# KiCad board soldiercrab_panel.kicad_pcb (continued)
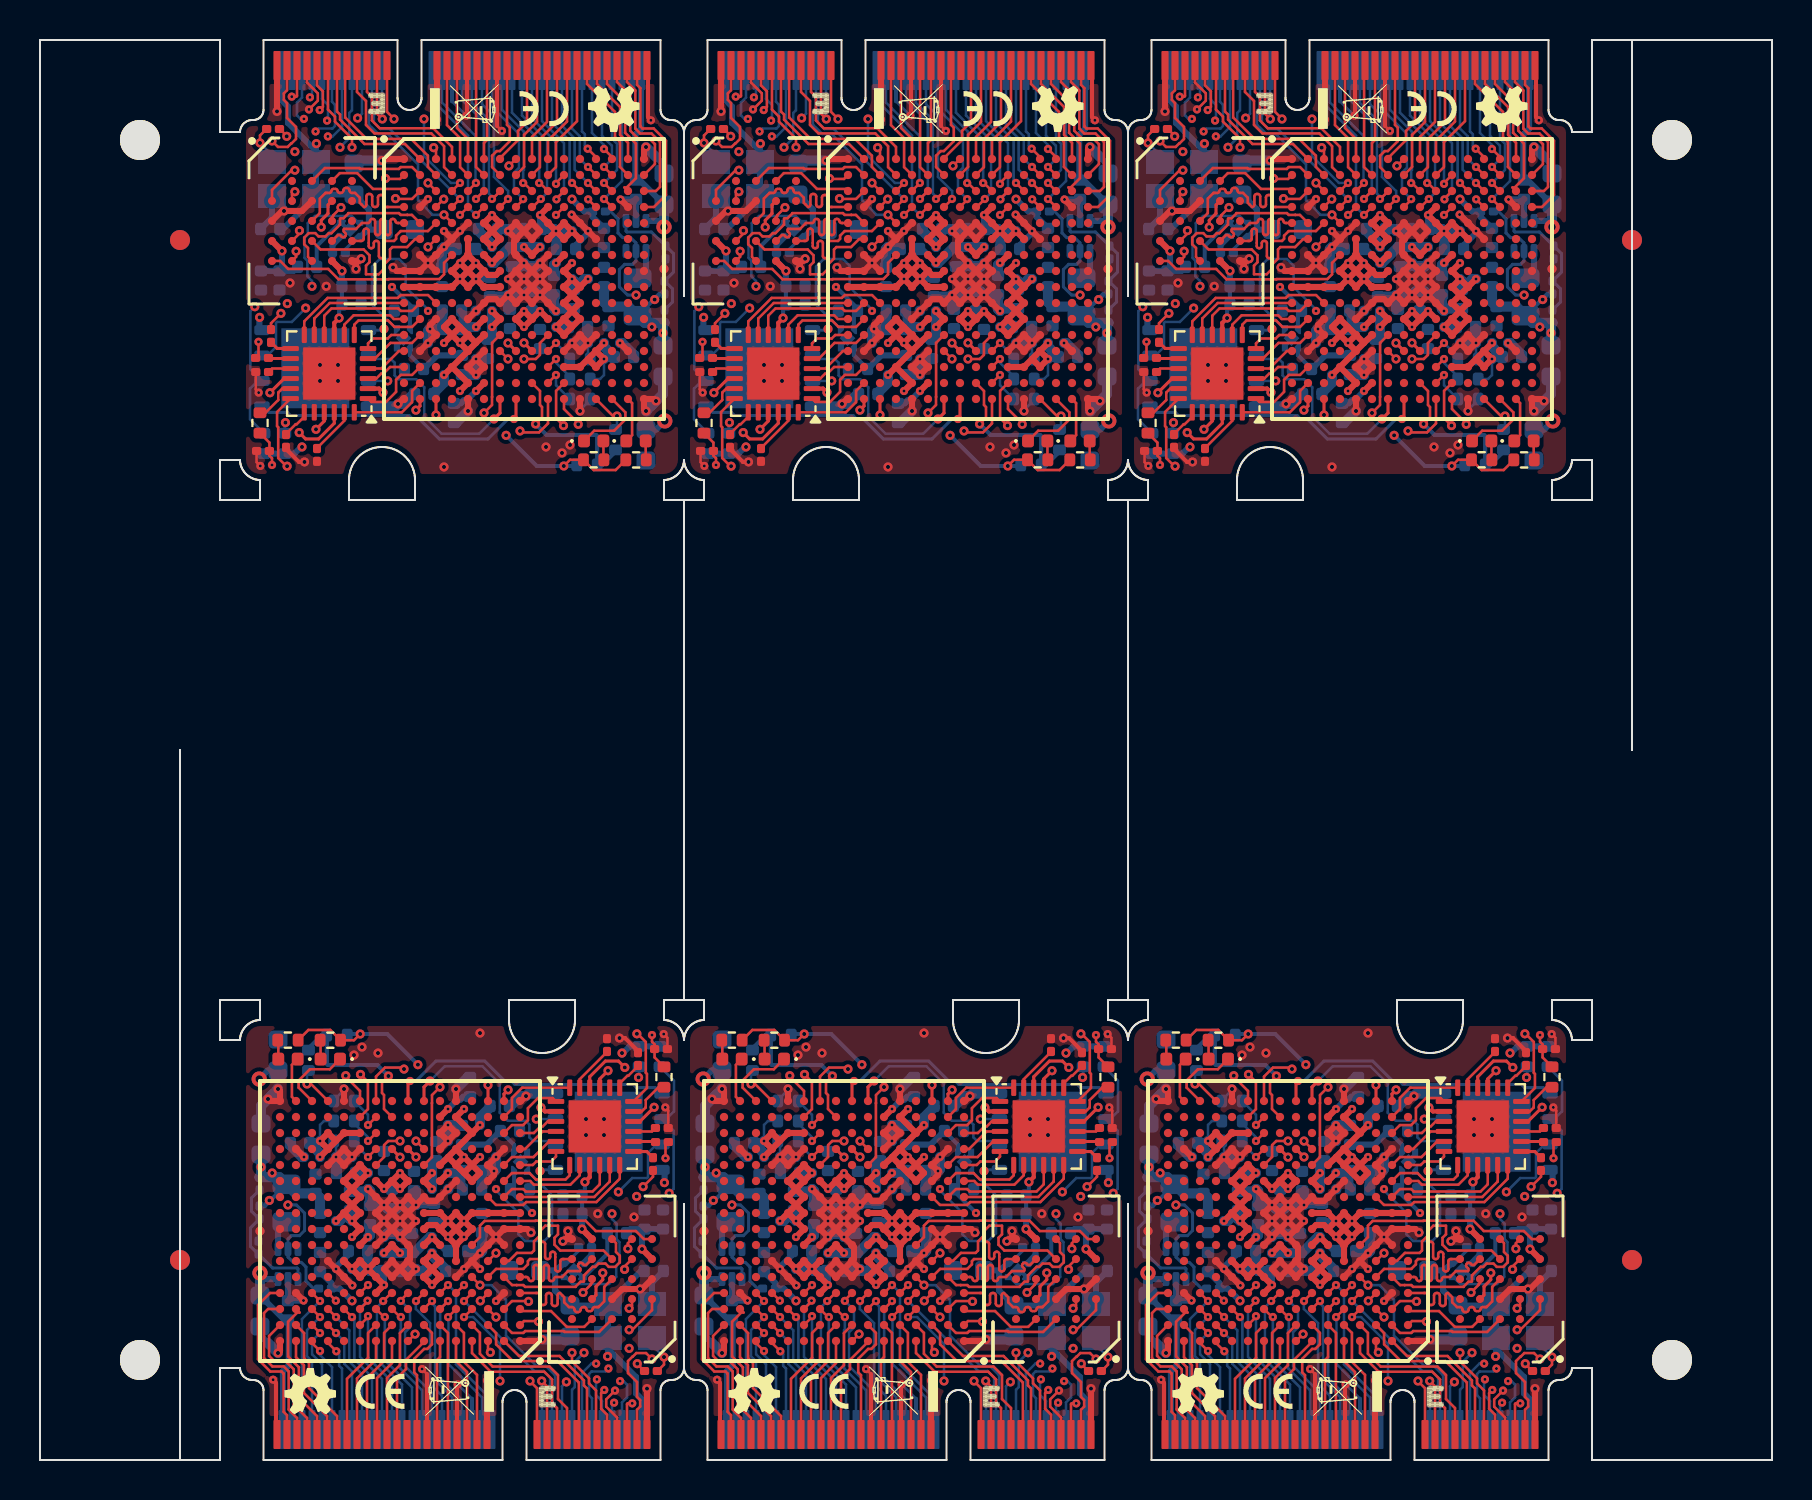
[diagram p0: board, top side]
## Nets (continued)
Board_3-unconnected-(IC1G-PL14A-PadF1): IC1#5.F1
Board_3-unconnected-(IC1G-PL20A-PadG1): IC1#5.G1
Board_3-unconnected-(IC1H-CS1N/PB13B-PadP8): IC1#5.P8
Board_3-unconnected-(IC1H-D4/PICO2/PB6B-PadP7): IC1#5.P7
Board_3-unconnected-(IC1H-D5/POCI2/PB6A-PadR7): IC1#5.R7
Board_3-unconnected-(IC1H-D7/PB4A-PadT6): IC1#5.T6
Board_3-unconnected-(IC1H-DONE-PadP9): IC1#5.P9
Board_3-unconnected-(IC1H-DOUT/CSON/PB15B-PadM8): IC1#5.M8
Board_3-unconnected-(IC1H-INITN-PadT9): IC1#5.T9
Board_3-unconnected-(IC1H-SN/CSN/PB13A-PadR8): IC1#5.R8
Board_3-unconnected-(IC1H-WRITEEN/PB18A-PadM9): IC1#5.M9
Board_3-unconnected-(J1-3.3V_EN-Pad4): J1#6.4
Board_3-unconnected-(J1-BATT_VIN/3-Pad49): J1#6.49
Board_3-unconnected-(J1-RTC_3V-Pad72): J1#6.72
Board_3-unconnected-(U1-NC-Pad6): U1#5.6
Board_3-unconnected-(U3-XO-Pad20): U3#4.20
Board_3-unconnected-(U10-RFU-PadA2): U10#3.A2
Board_3-unconnected-(U10-RFU-PadA5): U10#3.A5
Board_3-unconnected-(U10-RFU-PadC2): U10#3.C2
Board_3-unconnected-(U10-RFU/PSC-PadB5): U10#3.B5
Board_3-unconnected-(U10-RFU/~{PSC}-PadC5): U10#3.C5
Board_3-USB0_DM: J1#6.5 R9#3.1
Board_3-USB0_DP: J1#6.3 R10#5.1
Board_3-USB0_ID: J1#6.16 U3#4.18
Board_3-USB0_VBUS: C37#3.1 J1#6.9 R8#6.2
Board_3-VCCRAM: C5#3.1 C19#4.1 C21#5.1 C31.1 C32#2.1 C65#4.1 C82#4.1 C83.1 IC1#5.F5 IC1#5.G5 IC1#5.H4 IC1#5.H5 IC1#5.H6 IC1#5.H7 IC1#5.J1 IC1#5.J2 IC1#5.J3 IC1#5.J4 IC1#5.J5 IC1#5.J6 IC1#5.J7 IC1#5.L4 IC1#5.M4 IC1#5.M5 IC1#5.M6 IC1#5.N5 IC1#5.P4 IC1#5.R5 R16#2.1 U3#4.2 U3#4.9 U4#4.1 U10#3.B4 U10#3.D1 U10#3.E4
Board_4-+1V1: C1#3.1 C3#6.1 C7#6.1 C9.1 C11#5.1 C13#2.1 C15#4.1 C17#2.1 C25.2 C28.2 C29#5.2 IC1#6.G6 IC1#6.G7 IC1#6.G9 IC1#6.L8 IC1#6.L9 IC1#6.L10 L1#2.2 R2#2.2
Board_4-+2V5: C22#2.1 C24.1 C26#6.1 C27#5.1 IC1#6.G11 IC1#6.L7 U2#6.1
Board_4-+3V3: C2#4.1 C4.1 C6#6.2 C8#5.1 C10.1 C12#5.1 C14#5.1 C16#2.1 C18#3.1 C20#2.1 C23#3.1 C33#6.1 C35#2.1 C79.1 C80#6.1 C81#6.1 IC1#6.D10 IC1#6.E6 IC1#6.E7 IC1#6.E10 IC1#6.E11 IC1#6.F6 IC1#6.F7 IC1#6.F10 IC1#6.F11 IC1#6.F12 IC1#6.H11 IC1#6.J11 IC1#6.J12 IC1#6.K11 IC1#6.K12 IC1#6.L6 IC1#6.L11 IC1#6.L12 IC1#6.M11 IC1#6.N13 IC1#6.P11 IC1#6.P12 IC1#6.P13 IC1#6.R6 J1#5.2 J1#5.74 R1.2 R6#3.1 R11.2 R13#4.2 R15#3.2 R16#3.2 R109#3.1 R110.1 U1#2.3 U2#6.4 U3#3.16 U4#2.4 U7#6.8 Y1#3.1 Y1#3.4
Board_4-/bank0_1/CLOCK_48MHZ: IC1#6.A8 R108.1
Board_4-/bank2_3/~{FPGA_SELF_PROGRAM}: IC1#6.T13 R5#3.2
Board_4-/bank6_7/RAM.CK: IC1#6.C3 U10.B2
Board_4-/bank6_7/RAM.DQ0: IC1#6.F2 U10.D3
Board_4-/bank6_7/RAM.DQ1: IC1#6.B1 U10.D2
Board_4-/bank6_7/RAM.DQ2: IC1#6.C2 U10.C4
Board_4-/bank6_7/RAM.DQ3: IC1#6.E1 U10.D4
Board_4-/bank6_7/RAM.DQ4: IC1#6.E3 U10.D5
Board_4-/bank6_7/RAM.DQ5: IC1#6.E2 U10.E3
Board_4-/bank6_7/RAM.DQ6: IC1#6.F3 U10.E2
Board_4-/bank6_7/RAM.DQ7: IC1#6.G4 U10.E1
Board_4-/bank6_7/RAM.RWDS: IC1#6.D1 U10.C3
Board_4-/bank6_7/RAM.~{CK}: IC1#6.D3 U10.B1
Board_4-/bank6_7/RAM.~{CS}: IC1#6.B2 U10.A3
Board_4-/bank6_7/RAM.~{RESET}: IC1#6.C1 U10.A4
Board_4-/bank6_7/USB0.DATA0: IC1#6.N1 U3#3.4
Board_4-/bank6_7/USB0.DATA1: IC1#6.M2 U3#3.5
Board_4-/bank6_7/USB0.DATA2: IC1#6.M1 U3#3.6
Board_4-/bank6_7/USB0.DATA3: IC1#6.L2 U3#3.7
Board_4-/bank6_7/USB0.DATA4: IC1#6.L1 U3#3.8
Board_4-/bank6_7/USB0.DATA5: IC1#6.K2 U3#3.10
Board_4-/bank6_7/USB0.DATA6: IC1#6.K1 U3#3.11
Board_4-/bank6_7/USB0.DATA7: IC1#6.K3 U3#3.12
Board_4-/bank6_7/USB0.DIR: IC1#6.P2 U3#3.1
Board_4-/bank6_7/USB0.NXT: IC1#6.P1 U3#3.3
Board_4-/bank6_7/USB0.REFCLK: IC1#6.T3 U3#3.21
Board_4-/bank6_7/USB0.STP: IC1#6.R2 U3#3.24
Board_4-/bank6_7/USB0.~{RESET}: IC1#6.T2 U3#3.22
Board_4-/bank8_configuration/D0: IC1#6.T8 U7#6.5
Board_4-/bank8_configuration/D1: IC1#6.T7 U7#6.2
Board_4-/bank8_configuration/D2: IC1#6.M7 U7#6.3
Board_4-/bank8_configuration/D3: IC1#6.N7 U7#6.7
Board_4-/bank8_configuration/FPGA_CFG0: IC1#6.N10 R12.1
Board_4-/bank8_configuration/FPGA_CFG1: IC1#6.P10 R13#4.1
Board_4-/bank8_configuration/FPGA_CFG2: IC1#6.R10 R14#5.1
Board_4-/bank8_configuration/FPGA_CONFIG.~{PROGRAM}: IC1#6.R9 R5#3.1 R6#3.2
Board_4-/bank8_configuration/FPGA_FLASH_CLK: IC1#6.N9 R109#3.2 U7#6.6
Board_4-/bank8_configuration/~{CS_DI}: IC1#6.N8 R110.2 U7#6.1
Board_4-/usb/ULPI_1V8: C34#3.1 U3#3.23
Board_4-/usb/ULPI_3V3: C36#3.1 U3#3.15
Board_4-ECP5_A2: IC1#6.A2 J1#5.13
Board_4-ECP5_A3: IC1#6.A3 J1#5.11
Board_4-ECP5_A4: IC1#6.A4 J1#5.19
Board_4-ECP5_A5: IC1#6.A5 J1#5.37
Board_4-ECP5_A6: IC1#6.A6 J1#5.43
Board_4-ECP5_A7: IC1#6.A7 J1#5.51
Board_4-ECP5_A9: IC1#6.A9 J1#5.55
Board_4-ECP5_A10: IC1#6.A10 J1#5.59
Board_4-ECP5_A11: IC1#6.A11
Board_4-ECP5_A12: IC1#6.A12
Board_4-ECP5_A13: IC1#6.A13 J1#5.62
Board_4-ECP5_A14: IC1#6.A14 J1#5.64
Board_4-ECP5_A15: IC1#6.A15 J1#5.65
Board_4-ECP5_B3: IC1#6.B3 J1#5.15
Board_4-ECP5_B4: IC1#6.B4 J1#5.17
Board_4-ECP5_B5: IC1#6.B5 J1#5.35
Board_4-ECP5_B6: IC1#6.B6 J1#5.41
Board_4-ECP5_B7: IC1#6.B7 J1#5.47
Board_4-ECP5_B8: IC1#6.B8 J1#5.53
Board_4-ECP5_B9: IC1#6.B9 J1#5.57
Board_4-ECP5_B10: IC1#6.B10 J1#5.61
Board_4-ECP5_B11: IC1#6.B11 J1#5.52
Board_4-ECP5_B12: IC1#6.B12
Board_4-ECP5_B13: IC1#6.B13 J1#5.60
Board_4-ECP5_B14: IC1#6.B14 J1#5.66
Board_4-ECP5_B15: IC1#6.B15 J1#5.63
Board_4-ECP5_B16: IC1#6.B16 J1#5.69
Board_4-ECP5_C4: IC1#6.C4 J1#5.6
Board_4-ECP5_C5: IC1#6.C5 J1#5.34
Board_4-ECP5_C6: IC1#6.C6 J1#5.38
Board_4-ECP5_C7: IC1#6.C7 J1#5.40
Board_4-ECP5_C8: IC1#6.C8
Board_4-ECP5_C9: IC1#6.C9 J1#5.46
Board_4-ECP5_C10: IC1#6.C10 J1#5.48
Board_4-ECP5_C11: IC1#6.C11 J1#5.54
Board_4-ECP5_C12: IC1#6.C12 J1#5.56
Board_4-ECP5_C13: IC1#6.C13 J1#5.58
Board_4-ECP5_C14: IC1#6.C14 J1#5.68
Board_4-ECP5_C15: IC1#6.C15 J1#5.67
Board_4-ECP5_C16: IC1#6.C16 J1#5.71
Board_4-ECP5_D4: IC1#6.D4 J1#5.22
Board_4-ECP5_D5: IC1#6.D5 J1#5.8
Board_4-ECP5_D6: IC1#6.D6 J1#5.32
Board_4-ECP5_D7: IC1#6.D7 J1#5.42
Board_4-ECP5_D8: IC1#6.D8 J1#5.44
Board_4-ECP5_D9: IC1#6.D9 J1#5.50
Board_4-ECP5_D11: IC1#6.D11 J1#5.12
Board_4-ECP5_D12: IC1#6.D12
Board_4-ECP5_D13: IC1#6.D13 J1#5.14
Board_4-ECP5_D14: IC1#6.D14 J1#5.70
Board_4-ECP5_D16: IC1#6.D16 J1#5.73
Board_4-ECP5_E4: IC1#6.E4 J1#5.20
Board_4-ECP5_E13: IC1#6.E13
Board_4-ECP5_M10_TDO: IC1#6.M10 J1#5.23
Board_4-ECP5_R11_TDI: IC1#6.R11 J1#5.18
Board_4-ECP5_T10_TCK: IC1#6.T10 J1#5.10
Board_4-ECP5_T11_TMS: IC1#6.T11 J1#5.21
Board_4-EN: R1.1 U1#2.5 U2#6.3 U4#2.3
Board_4-GND: C1#3.2 C2#4.2 C3#6.2 C4.2 C5#5.2 C6#6.1 C7#6.2 C8#5.2 C9.2 C10.2 C11#5.2 C12#5.2 C13#2.2 C14#5.2 C15#4.2 C16#2.2 C17#2.2 C18#3.2 C19.2 C20#2.2 C21#4.2 C22#2.2 C23#3.2 C24.2 C26#6.2 C27#5.2 C28.1 C29#5.1 C31#2.2 C32#3.2 C33#6.2 C34#3.2 C35#2.2 C36#3.2 C37.2 C65#5.2 C79.2 C80#6.2 C81#6.2 C82#5.2 C83#3.2 IC1#6.A1 IC1#6.A16 IC1#6.D2 IC1#6.D15 IC1#6.E5 IC1#6.E8 IC1#6.E9 IC1#6.E12 IC1#6.F4 IC1#6.F8 IC1#6.F9 IC1#6.F13 IC1#6.G2 IC1#6.G3 IC1#6.G8 IC1#6.G10 IC1#6.H1 IC1#6.H2 IC1#6.H3 IC1#6.H8 IC1#6.H9 IC1#6.H10 IC1#6.H16 IC1#6.J8 IC1#6.J9 IC1#6.J10 IC1#6.K6 IC1#6.K7 IC1#6.K8 IC1#6.K9 IC1#6.K10 IC1#6.L3 IC1#6.L5 IC1#6.M3 IC1#6.M12 IC1#6.M13 IC1#6.N2 IC1#6.N6 IC1#6.N11 IC1#6.N12 IC1#6.N15 IC1#6.P5 IC1#6.P6 IC1#6.T1 IC1#6.T5 IC1#6.T12 IC1#6.T16 J1#5.1 J1#5.7 J1#5.33 J1#5.36 J1#5.39 J1#5.45 J1#5.75 R3#2.2 R7#6.1 R12.2 R14#5.2 U1#2.2 U2#6.2 U3#3.25 U4#2.2 U7#6.4 U7#6.9 U10.B3 U10.C1 U10.E5 Y1#3.2
Board_4-Net-(D1-A): D1#3.2 R11.1
Board_4-Net-(D1-K): D1#3.1 IC1#6.T15
Board_4-Net-(D2-A): D2.2 R15#3.1
Board_4-Net-(D2-K): D2.1 IC1#6.T14
Board_4-Net-(U1-FB): C25.1 R2#2.1 R3#2.1 U1#2.1
Board_4-Net-(U1-SW): L1#2.1 U1#2.4
Board_4-Net-(U3-DM): R9#4.2 U3#3.14
Board_4-Net-(U3-DP): R10.2 U3#3.13
Board_4-Net-(U3-RBIAS): R7#6.2 U3#3.19
Board_4-Net-(U3-VBUS): R8#5.1 U3#3.17
Board_4-Net-(Y1-OUT): R108.2 Y1#3.3
Board_4-unconnected-(IC1D-PR5C-PadE14): IC1#6.E14
Board_4-unconnected-(IC1D-PR5D-PadF14): IC1#6.F14
Board_4-unconnected-(IC1D-PR8B-PadE15): IC1#6.E15
Board_4-unconnected-(IC1D-PR11A-PadG12): IC1#6.G12
Board_4-unconnected-(IC1D-PR11B-PadG13): IC1#6.G13
Board_4-unconnected-(IC1D-PR11C-PadF15): IC1#6.F15
Board_4-unconnected-(IC1D-PR11D-PadE16): IC1#6.E16
Board_4-unconnected-(IC1D-PR14A-PadF16): IC1#6.F16
Board_4-unconnected-(IC1D-PR14B-PadG15): IC1#6.G15
Board_4-unconnected-(IC1D-PR14C-PadG14): IC1#6.G14
Board_4-unconnected-(IC1D-PR14D-PadH14): IC1#6.H14
Board_4-unconnected-(IC1D-PR17A-PadH12): IC1#6.H12
Board_4-unconnected-(IC1D-PR17B-PadH13): IC1#6.H13
Board_4-unconnected-(IC1D-PR17C-PadJ13): IC1#6.J13
Board_4-unconnected-(IC1D-PR20A-PadG16): IC1#6.G16
Board_4-unconnected-(IC1D-PR20B-PadH15): IC1#6.H15
Board_4-unconnected-(IC1D-PR20C-PadJ14): IC1#6.J14
Board_4-unconnected-(IC1D-PR20D-PadK14): IC1#6.K14
Board_4-unconnected-(IC1D-PR23A-PadJ16): IC1#6.J16
Board_4-unconnected-(IC1D-PR23B-PadJ15): IC1#6.J15
Board_4-unconnected-(IC1D-PR23C-PadK16): IC1#6.K16
Board_4-unconnected-(IC1D-PR23D-PadK15): IC1#6.K15
Board_4-unconnected-(IC1E-PR26A-PadL16): IC1#6.L16
Board_4-unconnected-(IC1E-PR26B-PadL15): IC1#6.L15
Board_4-unconnected-(IC1E-PR26C-PadM16): IC1#6.M16
Board_4-unconnected-(IC1E-PR26D-PadM15): IC1#6.M15
Board_4-unconnected-(IC1E-PR29A-PadK13): IC1#6.K13
Board_4-unconnected-(IC1E-PR29C-PadL13): IC1#6.L13
Board_4-unconnected-(IC1E-PR32A-PadN16): IC1#6.N16
Board_4-unconnected-(IC1E-PR32B-PadP15): IC1#6.P15
Board_4-unconnected-(IC1E-PR32C-PadL14): IC1#6.L14
Board_4-unconnected-(IC1E-PR32D-PadM14): IC1#6.M14
Board_4-unconnected-(IC1E-PR35A-PadP16): IC1#6.P16
Board_4-unconnected-(IC1E-PR35B-PadR16): IC1#6.R16
Board_4-unconnected-(IC1E-PR35D-PadN14): IC1#6.N14
Board_4-unconnected-(IC1E-PR38B-PadP14): IC1#6.P14
Board_4-unconnected-(IC1E-PR38C-PadR15): IC1#6.R15
Board_4-unconnected-(IC1E-PR41B-PadR14): IC1#6.R14
Board_4-unconnected-(IC1E-PR41C-PadR13): IC1#6.R13
Board_4-unconnected-(IC1E-PR44A-PadR12): IC1#6.R12
Board_4-unconnected-(IC1F-PL29A-PadK4): IC1#6.K4
Board_4-unconnected-(IC1F-PL29B-PadK5): IC1#6.K5
Board_4-unconnected-(IC1F-PL35B-PadR1): IC1#6.R1
Board_4-unconnected-(IC1F-PL35D-PadN3): IC1#6.N3
Board_4-unconnected-(IC1F-PL38A-PadN4): IC1#6.N4
Board_4-unconnected-(IC1F-PL38B-PadP3): IC1#6.P3
Board_4-unconnected-(IC1F-PL41B-PadR3): IC1#6.R3
Board_4-unconnected-(IC1F-PL41C-PadR4): IC1#6.R4
Board_4-unconnected-(IC1F-PL44B-PadT4): IC1#6.T4
Board_4-unconnected-(IC1G-PL14A-PadF1): IC1#6.F1
Board_4-unconnected-(IC1G-PL20A-PadG1): IC1#6.G1
Board_4-unconnected-(IC1H-CS1N/PB13B-PadP8): IC1#6.P8
Board_4-unconnected-(IC1H-D4/PICO2/PB6B-PadP7): IC1#6.P7
Board_4-unconnected-(IC1H-D5/POCI2/PB6A-PadR7): IC1#6.R7
Board_4-unconnected-(IC1H-D7/PB4A-PadT6): IC1#6.T6
Board_4-unconnected-(IC1H-DONE-PadP9): IC1#6.P9
Board_4-unconnected-(IC1H-DOUT/CSON/PB15B-PadM8): IC1#6.M8
Board_4-unconnected-(IC1H-INITN-PadT9): IC1#6.T9
Board_4-unconnected-(IC1H-SN/CSN/PB13A-PadR8): IC1#6.R8
Board_4-unconnected-(IC1H-WRITEEN/PB18A-PadM9): IC1#6.M9
Board_4-unconnected-(J1-3.3V_EN-Pad4): J1#5.4
Board_4-unconnected-(J1-BATT_VIN/3-Pad49): J1#5.49
Board_4-unconnected-(J1-RTC_3V-Pad72): J1#5.72
Board_4-unconnected-(U1-NC-Pad6): U1#2.6
Board_4-unconnected-(U3-XO-Pad20): U3#3.20
Board_4-unconnected-(U10-RFU-PadA2): U10.A2
Board_4-unconnected-(U10-RFU-PadA5): U10.A5
Board_4-unconnected-(U10-RFU-PadC2): U10.C2
Board_4-unconnected-(U10-RFU/PSC-PadB5): U10.B5
Board_4-unconnected-(U10-RFU/~{PSC}-PadC5): U10.C5
Board_4-USB0_DM: J1#5.5 R9#4.1
Board_4-USB0_DP: J1#5.3 R10.1
Board_4-USB0_ID: J1#5.16 U3#3.18
Board_4-USB0_VBUS: C37.1 J1#5.9 R8#5.2
Board_4-VCCRAM: C5#5.1 C19.1 C21#4.1 C31#2.1 C32#3.1 C65#5.1 C82#5.1 C83#3.1 IC1#6.F5 IC1#6.G5 IC1#6.H4 IC1#6.H5 IC1#6.H6 IC1#6.H7 IC1#6.J1 IC1#6.J2 IC1#6.J3 IC1#6.J4 IC1#6.J5 IC1#6.J6 IC1#6.J7 IC1#6.L4 IC1#6.M4 IC1#6.M5 IC1#6.M6 IC1#6.N5 IC1#6.P4 IC1#6.R5 R16#3.1 U3#3.2 U3#3.9 U4#2.1 U10.B4 U10.D1 U10.E4
Board_5-+1V1: C1#6.1 C3#2.1 C7#5.1 C9#6.1 C11.1 C13#5.1 C15.1 C17.1 C25#2.2 C28#6.2 C29.2 IC1#3.G6 IC1#3.G7 IC1#3.G9 IC1#3.L8 IC1#3.L9 IC1#3.L10 L1#3.2 R2#4.2
Board_5-+2V5: C22#5.1 C24#4.1 C26#3.1 C27#6.1 IC1#3.G11 IC1#3.L7 U2#4.1
Board_5-+3V3: C2#2.1 C4#2.1 C6.2 C8#2.1 C10#5.1 C12.1 C14#6.1 C16.1 C18#4.1 C20.1 C23.1 C33.1 C35#5.1 C79#4.1 C80#2.1 C81#5.1 IC1#3.D10 IC1#3.E6 IC1#3.E7 IC1#3.E10 IC1#3.E11 IC1#3.F6 IC1#3.F7 IC1#3.F10 IC1#3.F11 IC1#3.F12 IC1#3.H11 IC1#3.J11 IC1#3.J12 IC1#3.K11 IC1#3.K12 IC1#3.L6 IC1#3.L11 IC1#3.L12 IC1#3.M11 IC1#3.N13 IC1#3.P11 IC1#3.P12 IC1#3.P13 IC1#3.R6 J1#4.2 J1#4.74 R1#3.2 R6#2.1 R11#3.2 R13#5.2 R15#5.2 R16#6.2 R109#4.1 R110#4.1 U1.3 U2#4.4 U3#6.16 U4#5.4 U7#2.8 Y1#5.1 Y1#5.4
Board_5-/bank0_1/CLOCK_48MHZ: IC1#3.A8 R108#6.1
Board_5-/bank2_3/~{FPGA_SELF_PROGRAM}: IC1#3.T13 R5#4.2
Board_5-/bank6_7/RAM.CK: IC1#3.C3 U10#2.B2
Board_5-/bank6_7/RAM.DQ0: IC1#3.F2 U10#2.D3
Board_5-/bank6_7/RAM.DQ1: IC1#3.B1 U10#2.D2
Board_5-/bank6_7/RAM.DQ2: IC1#3.C2 U10#2.C4
Board_5-/bank6_7/RAM.DQ3: IC1#3.E1 U10#2.D4
Board_5-/bank6_7/RAM.DQ4: IC1#3.E3 U10#2.D5
Board_5-/bank6_7/RAM.DQ5: IC1#3.E2 U10#2.E3
Board_5-/bank6_7/RAM.DQ6: IC1#3.F3 U10#2.E2
Board_5-/bank6_7/RAM.DQ7: IC1#3.G4 U10#2.E1
Board_5-/bank6_7/RAM.RWDS: IC1#3.D1 U10#2.C3
Board_5-/bank6_7/RAM.~{CK}: IC1#3.D3 U10#2.B1
Board_5-/bank6_7/RAM.~{CS}: IC1#3.B2 U10#2.A3
Board_5-/bank6_7/RAM.~{RESET}: IC1#3.C1 U10#2.A4
Board_5-/bank6_7/USB0.DATA0: IC1#3.N1 U3#6.4
Board_5-/bank6_7/USB0.DATA1: IC1#3.M2 U3#6.5
Board_5-/bank6_7/USB0.DATA2: IC1#3.M1 U3#6.6
Board_5-/bank6_7/USB0.DATA3: IC1#3.L2 U3#6.7
Board_5-/bank6_7/USB0.DATA4: IC1#3.L1 U3#6.8
Board_5-/bank6_7/USB0.DATA5: IC1#3.K2 U3#6.10
Board_5-/bank6_7/USB0.DATA6: IC1#3.K1 U3#6.11
Board_5-/bank6_7/USB0.DATA7: IC1#3.K3 U3#6.12
Board_5-/bank6_7/USB0.DIR: IC1#3.P2 U3#6.1
Board_5-/bank6_7/USB0.NXT: IC1#3.P1 U3#6.3
Board_5-/bank6_7/USB0.REFCLK: IC1#3.T3 U3#6.21
Board_5-/bank6_7/USB0.STP: IC1#3.R2 U3#6.24
Board_5-/bank6_7/USB0.~{RESET}: IC1#3.T2 U3#6.22
Board_5-/bank8_configuration/D0: IC1#3.T8 U7#2.5
Board_5-/bank8_configuration/D1: IC1#3.T7 U7#2.2
Board_5-/bank8_configuration/D2: IC1#3.M7 U7#2.3
Board_5-/bank8_configuration/D3: IC1#3.N7 U7#2.7
Board_5-/bank8_configuration/FPGA_CFG0: IC1#3.N10 R12#4.1
Board_5-/bank8_configuration/FPGA_CFG1: IC1#3.P10 R13#5.1
Board_5-/bank8_configuration/FPGA_CFG2: IC1#3.R10 R14.1
Board_5-/bank8_configuration/FPGA_CONFIG.~{PROGRAM}: IC1#3.R9 R5#4.1 R6#2.2
Board_5-/bank8_configuration/FPGA_FLASH_CLK: IC1#3.N9 R109#4.2 U7#2.6
Board_5-/bank8_configuration/~{CS_DI}: IC1#3.N8 R110#4.2 U7#2.1
Board_5-/usb/ULPI_1V8: C34#4.1 U3#6.23
Board_5-/usb/ULPI_3V3: C36#6.1 U3#6.15
Board_5-ECP5_A2: IC1#3.A2 J1#4.13
Board_5-ECP5_A3: IC1#3.A3 J1#4.11
Board_5-ECP5_A4: IC1#3.A4 J1#4.19
Board_5-ECP5_A5: IC1#3.A5 J1#4.37
Board_5-ECP5_A6: IC1#3.A6 J1#4.43
Board_5-ECP5_A7: IC1#3.A7 J1#4.51
Board_5-ECP5_A9: IC1#3.A9 J1#4.55
Board_5-ECP5_A10: IC1#3.A10 J1#4.59
Board_5-ECP5_A11: IC1#3.A11
Board_5-ECP5_A12: IC1#3.A12
Board_5-ECP5_A13: IC1#3.A13 J1#4.62
Board_5-ECP5_A14: IC1#3.A14 J1#4.64
Board_5-ECP5_A15: IC1#3.A15 J1#4.65
Board_5-ECP5_B3: IC1#3.B3 J1#4.15
Board_5-ECP5_B4: IC1#3.B4 J1#4.17
Board_5-ECP5_B5: IC1#3.B5 J1#4.35
Board_5-ECP5_B6: IC1#3.B6 J1#4.41
Board_5-ECP5_B7: IC1#3.B7 J1#4.47
Board_5-ECP5_B8: IC1#3.B8 J1#4.53
Board_5-ECP5_B9: IC1#3.B9 J1#4.57
Board_5-ECP5_B10: IC1#3.B10 J1#4.61
Board_5-ECP5_B11: IC1#3.B11 J1#4.52
Board_5-ECP5_B12: IC1#3.B12
Board_5-ECP5_B13: IC1#3.B13 J1#4.60
Board_5-ECP5_B14: IC1#3.B14 J1#4.66
Board_5-ECP5_B15: IC1#3.B15 J1#4.63
Board_5-ECP5_B16: IC1#3.B16 J1#4.69
Board_5-ECP5_C4: IC1#3.C4 J1#4.6
Board_5-ECP5_C5: IC1#3.C5 J1#4.34
Board_5-ECP5_C6: IC1#3.C6 J1#4.38
Board_5-ECP5_C7: IC1#3.C7 J1#4.40
Board_5-ECP5_C8: IC1#3.C8
Board_5-ECP5_C9: IC1#3.C9 J1#4.46
Board_5-ECP5_C10: IC1#3.C10 J1#4.48
Board_5-ECP5_C11: IC1#3.C11 J1#4.54
Board_5-ECP5_C12: IC1#3.C12 J1#4.56
Board_5-ECP5_C13: IC1#3.C13 J1#4.58
Board_5-ECP5_C14: IC1#3.C14 J1#4.68
Board_5-ECP5_C15: IC1#3.C15 J1#4.67
Board_5-ECP5_C16: IC1#3.C16 J1#4.71
Board_5-ECP5_D4: IC1#3.D4 J1#4.22
Board_5-ECP5_D5: IC1#3.D5 J1#4.8
Board_5-ECP5_D6: IC1#3.D6 J1#4.32
Board_5-ECP5_D7: IC1#3.D7 J1#4.42
Board_5-ECP5_D8: IC1#3.D8 J1#4.44
Board_5-ECP5_D9: IC1#3.D9 J1#4.50
Board_5-ECP5_D11: IC1#3.D11 J1#4.12
Board_5-ECP5_D12: IC1#3.D12
Board_5-ECP5_D13: IC1#3.D13 J1#4.14
Board_5-ECP5_D14: IC1#3.D14 J1#4.70
Board_5-ECP5_D16: IC1#3.D16 J1#4.73
Board_5-ECP5_E4: IC1#3.E4 J1#4.20
Board_5-ECP5_E13: IC1#3.E13
Board_5-ECP5_M10_TDO: IC1#3.M10 J1#4.23
Board_5-ECP5_R11_TDI: IC1#3.R11 J1#4.18
Board_5-ECP5_T10_TCK: IC1#3.T10 J1#4.10
Board_5-ECP5_T11_TMS: IC1#3.T11 J1#4.21
Board_5-EN: R1#3.1 U1.5 U2#4.3 U4#5.3
Board_5-GND: C1#6.2 C2#2.2 C3#2.2 C4#2.2 C5#6.2 C6.1 C7#5.2 C8#2.2 C9#6.2 C10#5.2 C11.2 C12.2 C13#5.2 C14#6.2 C15.2 C16.2 C17.2 C18#4.2 C19#3.2 C20.2 C21#2.2 C22#5.2 C23.2 C24#4.2 C26#3.2 C27#6.2 C28#6.1 C29.1 C31#5.2 C32#5.2 C33.2 C34#4.2 C35#5.2 C36#6.2 C37#6.2 C65#3.2 C79#4.2 C80#2.2 C81#5.2 C82#6.2 C83#4.2 IC1#3.A1 IC1#3.A16 IC1#3.D2 IC1#3.D15 IC1#3.E5 IC1#3.E8 IC1#3.E9 IC1#3.E12 IC1#3.F4 IC1#3.F8 IC1#3.F9 IC1#3.F13 IC1#3.G2 IC1#3.G3 IC1#3.G8 IC1#3.G10 IC1#3.H1 IC1#3.H2 IC1#3.H3 IC1#3.H8 IC1#3.H9 IC1#3.H10 IC1#3.H16 IC1#3.J8 IC1#3.J9 IC1#3.J10 IC1#3.K6 IC1#3.K7 IC1#3.K8 IC1#3.K9 IC1#3.K10 IC1#3.L3 IC1#3.L5 IC1#3.M3 IC1#3.M12 IC1#3.M13 IC1#3.N2 IC1#3.N6 IC1#3.N11 IC1#3.N12 IC1#3.N15 IC1#3.P5 IC1#3.P6 IC1#3.T1 IC1#3.T5 IC1#3.T12 IC1#3.T16 J1#4.1 J1#4.7 J1#4.33 J1#4.36 J1#4.39 J1#4.45 J1#4.75 R3#5.2 R7#3.1 R12#4.2 R14.2 U1.2 U2#4.2 U3#6.25 U4#5.2 U7#2.4 U7#2.9 U10#2.B3 U10#2.C1 U10#2.E5 Y1#5.2
Board_5-Net-(D1-A): D1.2 R11#3.1
Board_5-Net-(D1-K): D1.1 IC1#3.T15
Board_5-Net-(D2-A): D2#3.2 R15#5.1
Board_5-Net-(D2-K): D2#3.1 IC1#3.T14
Board_5-Net-(U1-FB): C25#2.1 R2#4.1 R3#5.1 U1.1
Board_5-Net-(U1-SW): L1#3.1 U1.4
Board_5-Net-(U3-DM): R9#2.2 U3#6.14
Board_5-Net-(U3-DP): R10#6.2 U3#6.13
Board_5-Net-(U3-RBIAS): R7#3.2 U3#6.19
Board_5-Net-(U3-VBUS): R8.1 U3#6.17
Board_5-Net-(Y1-OUT): R108#6.2 Y1#5.3
Board_5-unconnected-(IC1D-PR5C-PadE14): IC1#3.E14
Board_5-unconnected-(IC1D-PR5D-PadF14): IC1#3.F14
Board_5-unconnected-(IC1D-PR8B-PadE15): IC1#3.E15
Board_5-unconnected-(IC1D-PR11A-PadG12): IC1#3.G12
Board_5-unconnected-(IC1D-PR11B-PadG13): IC1#3.G13
Board_5-unconnected-(IC1D-PR11C-PadF15): IC1#3.F15
Board_5-unconnected-(IC1D-PR11D-PadE16): IC1#3.E16
Board_5-unconnected-(IC1D-PR14A-PadF16): IC1#3.F16
Board_5-unconnected-(IC1D-PR14B-PadG15): IC1#3.G15
Board_5-unconnected-(IC1D-PR14C-PadG14): IC1#3.G14
Board_5-unconnected-(IC1D-PR14D-PadH14): IC1#3.H14
Board_5-unconnected-(IC1D-PR17A-PadH12): IC1#3.H12
Board_5-unconnected-(IC1D-PR17B-PadH13): IC1#3.H13
Board_5-unconnected-(IC1D-PR17C-PadJ13): IC1#3.J13
Board_5-unconnected-(IC1D-PR20A-PadG16): IC1#3.G16
Board_5-unconnected-(IC1D-PR20B-PadH15): IC1#3.H15
Board_5-unconnected-(IC1D-PR20C-PadJ14): IC1#3.J14
Board_5-unconnected-(IC1D-PR20D-PadK14): IC1#3.K14
Board_5-unconnected-(IC1D-PR23A-PadJ16): IC1#3.J16
Board_5-unconnected-(IC1D-PR23B-PadJ15): IC1#3.J15
Board_5-unconnected-(IC1D-PR23C-PadK16): IC1#3.K16
Board_5-unconnected-(IC1D-PR23D-PadK15): IC1#3.K15
Board_5-unconnected-(IC1E-PR26A-PadL16): IC1#3.L16
Board_5-unconnected-(IC1E-PR26B-PadL15): IC1#3.L15
Board_5-unconnected-(IC1E-PR26C-PadM16): IC1#3.M16
Board_5-unconnected-(IC1E-PR26D-PadM15): IC1#3.M15
Board_5-unconnected-(IC1E-PR29A-PadK13): IC1#3.K13
Board_5-unconnected-(IC1E-PR29C-PadL13): IC1#3.L13
Board_5-unconnected-(IC1E-PR32A-PadN16): IC1#3.N16
Board_5-unconnected-(IC1E-PR32B-PadP15): IC1#3.P15
Board_5-unconnected-(IC1E-PR32C-PadL14): IC1#3.L14
Board_5-unconnected-(IC1E-PR32D-PadM14): IC1#3.M14
Board_5-unconnected-(IC1E-PR35A-PadP16): IC1#3.P16
Board_5-unconnected-(IC1E-PR35B-PadR16): IC1#3.R16
Board_5-unconnected-(IC1E-PR35D-PadN14): IC1#3.N14
Board_5-unconnected-(IC1E-PR38B-PadP14): IC1#3.P14
Board_5-unconnected-(IC1E-PR38C-PadR15): IC1#3.R15
Board_5-unconnected-(IC1E-PR41B-PadR14): IC1#3.R14
Board_5-unconnected-(IC1E-PR41C-PadR13): IC1#3.R13
Board_5-unconnected-(IC1E-PR44A-PadR12): IC1#3.R12
Board_5-unconnected-(IC1F-PL29A-PadK4): IC1#3.K4
Board_5-unconnected-(IC1F-PL29B-PadK5): IC1#3.K5
Board_5-unconnected-(IC1F-PL35B-PadR1): IC1#3.R1
Board_5-unconnected-(IC1F-PL35D-PadN3): IC1#3.N3
Board_5-unconnected-(IC1F-PL38A-PadN4): IC1#3.N4
Board_5-unconnected-(IC1F-PL38B-PadP3): IC1#3.P3
Board_5-unconnected-(IC1F-PL41B-PadR3): IC1#3.R3
Board_5-unconnected-(IC1F-PL41C-PadR4): IC1#3.R4
Board_5-unconnected-(IC1F-PL44B-PadT4): IC1#3.T4
Board_5-unconnected-(IC1G-PL14A-PadF1): IC1#3.F1
Board_5-unconnected-(IC1G-PL20A-PadG1): IC1#3.G1
Board_5-unconnected-(IC1H-CS1N/PB13B-PadP8): IC1#3.P8
Board_5-unconnected-(IC1H-D4/PICO2/PB6B-PadP7): IC1#3.P7
Board_5-unconnected-(IC1H-D5/POCI2/PB6A-PadR7): IC1#3.R7
Board_5-unconnected-(IC1H-D7/PB4A-PadT6): IC1#3.T6
Board_5-unconnected-(IC1H-DONE-PadP9): IC1#3.P9
Board_5-unconnected-(IC1H-DOUT/CSON/PB15B-PadM8): IC1#3.M8
Board_5-unconnected-(IC1H-INITN-PadT9): IC1#3.T9
Board_5-unconnected-(IC1H-SN/CSN/PB13A-PadR8): IC1#3.R8
Board_5-unconnected-(IC1H-WRITEEN/PB18A-PadM9): IC1#3.M9
Board_5-unconnected-(J1-3.3V_EN-Pad4): J1#4.4
Board_5-unconnected-(J1-BATT_VIN/3-Pad49): J1#4.49
Board_5-unconnected-(J1-RTC_3V-Pad72): J1#4.72
Board_5-unconnected-(U1-NC-Pad6): U1.6
Board_5-unconnected-(U3-XO-Pad20): U3#6.20
Board_5-unconnected-(U10-RFU-PadA2): U10#2.A2
Board_5-unconnected-(U10-RFU-PadA5): U10#2.A5
Board_5-unconnected-(U10-RFU-PadC2): U10#2.C2
Board_5-unconnected-(U10-RFU/PSC-PadB5): U10#2.B5
Board_5-unconnected-(U10-RFU/~{PSC}-PadC5): U10#2.C5
Board_5-USB0_DM: J1#4.5 R9#2.1
Board_5-USB0_DP: J1#4.3 R10#6.1
Board_5-USB0_ID: J1#4.16 U3#6.18
Board_5-USB0_VBUS: C37#6.1 J1#4.9 R8.2
Board_5-VCCRAM: C5#6.1 C19#3.1 C21#2.1 C31#5.1 C32#5.1 C65#3.1 C82#6.1 C83#4.1 IC1#3.F5 IC1#3.G5 IC1#3.H4 IC1#3.H5 IC1#3.H6 IC1#3.H7 IC1#3.J1 IC1#3.J2 IC1#3.J3 IC1#3.J4 IC1#3.J5 IC1#3.J6 IC1#3.J7 IC1#3.L4 IC1#3.M4 IC1#3.M5 IC1#3.M6 IC1#3.N5 IC1#3.P4 IC1#3.R5 R16#6.1 U3#6.2 U3#6.9 U4#5.1 U10#2.B4 U10#2.D1 U10#2.E4

## Via types
v1: diameter 0.41, hole 0.15, Top to Bottom, 612 vias
v2: diameter 0.457, hole 0.203, Top to Bottom, 522 vias
v3: diameter 0.762, hole 0.381, Top to Bottom, 12 vias

## Routing (per net, layer and track width the routed paths; a pad name or vN(x,y) marks a point on that pad's centre or on a via; arc(x,y) is an arc through that point)
Board_0-+1V1: length 19.4
  Top w0.305: IC1#4.L10 v1(25,57.45) IC1#4.L9 ; IC1#4.L9 v1(24.2,57.45) IC1#4.L8 v1(24.2,56.65) IC1#4.L9 ; IC1#4.G7 v1(22.6,59.85) IC1#4.G6 ; v1(25,60.65) IC1#4.G9 v1(24.2,60.65)
  Bottom w0.203: v2(30.73,58.02) 31.01,58.3 C25#4.2 30.96,58.3 L1.2 30.03,57.22 v2(30.59,56.65)
  Bottom w0.305: v1(22.6,59.85) 21.9,60.55 C15#2.1 ; v3(31.24,51.95) 30.81,51.52 C1#4.1
  Bottom w0.508: v1(25,60.65) 24.62,60.65 C13#3.1 24.58,60.65 v1(24.2,60.65) 23.62,60.65 C9#4.1 23.48,60.63 22.7,59.85 v1(22.6,59.85) ; C3#3.1 v2(31.15,56.35) 31.15,56.78 R2#3.2 30.23,56.86 L1.2 29.42,57.67 28.43,57.67 28.2,57.9 28.2,58.67
Board_0-+2V5: length 16.9
  Top w0.305: v1(22.6,57.45) IC1#4.L7 v1(22.6,56.65) ; IC1#4.G11 v1(25.8,59.85)
  In3.Cu w0.305: v1(22.6,56.65) 22.6,59.16 23.08,59.65 23.08,60.22 24,61.13 25.2,61.13 25.8,60.54 v1(25.8,59.85)
  Bottom w0.203: 19.18,54.55 18.5,55.24 U2.1
  Bottom w0.305: 19.18,54.55 19.86,55.23 C22#3.1 21.17,55.23 21.97,56.03 C26#5.1
  Bottom w0.508: C26#5.1 22.6,56.23 v1(22.6,56.65) v1(22.6,57.45) ; C24#2.1 25.7,59.75 v1(25.8,59.85)
Board_0-+3V3: length 82.7
  Top w0.127: v2(26.19,49.7) 26.5,50.01 R15.2 27.68,49.5 28.78,49.5 R11#5.2
  Top w0.152: U3#5.16 12.2,54.07 v2(11.49,53.36)
  Top w0.305: IC1#4.F12 v1(26.6,61.45) ; v1(26.6,61.45) IC1#4.F11 v1(25.8,61.45) ; v1(26.6,61.45) IC1#4.E11 v1(25.8,61.45) ; v1(25.8,61.45) IC1#4.E10 v1(25,62.25) IC1#4.D10 ; v1(25.8,61.45) IC1#4.F10 ; IC1#4.J12 v1(27.4,59.05) ; IC1#4.J12 v1(26.6,59.05) ; IC1#4.J12 IC1#4.K11 IC1#4.L12 26.6,56.65 ; IC1#4.N13 27.4,55.05 ; IC1#4.N13 v1(28.2,55.05) IC1#4.P13 27.4,55.05 ; IC1#4.N13 v1(28.2,55.85) ; 27.4,55.05 IC1#4.P12 IC1#4.P11 ; v1(26.6,59.05) IC1#4.J11 IC1#4.K12 IC1#4.L11 ; v1(26.6,59.05) IC1#4.H11 v1(26.6,59.85) ; IC1#4.L11 26.6,56.65 ; IC1#4.L11 v1(25.8,56.65) IC1#4.M11 26.6,56.65 ; IC1#4.F7 22.9,60.95 ; 22.9,60.95 v1(22.6,60.65) IC1#4.F6 IC1#4.E7 v1(22.6,62.25) IC1#4.E6 22.9,61.15 22.9,60.95 ; IC1#4.L6 v1(21.8,56.65) ; IC1#4.R6 v1(21.8,53.45)
  Bottom w0.127: v1(28.2,55.05) 28.2,54.25 28,54.05 R13#3.2
  Bottom w0.152: U4#3.4 15.27,60.54 R16#5.2
  Bottom w0.203: v1(17.6,58.65) 18.68,57.57 18.68,57.47 18.5,57.28 U2.4 ; R6#4.1 26.79,49.7 v2(26.19,49.7) 24.84,49.7 v2(23.31,51.23)
  Bottom w0.305: Y1#2.1 12.15,61.55 C10#3.1 12.1,61.44 ; Y1#2.1 13.8,63.17 ; Y1#2.1 13.87,63.27 C4#4.1 16.44,62.53 16.44,61.58 ; Y1#2.1 Y1#2.4 ; v1(22.6,62.25) 21.92,61.57 C18#2.1 ; C81#4.1 21.03,52.83 21.18,52.98 21.33,52.98 v1(21.8,53.45) ; C35#6.1 27.63,62.15 R1#5.2 27.21,62.43 v2(26.6,63.04) ; 16.44,61.58 16.5,61.52 C23#2.1 ; 16.44,61.58 16.04,61.18 15.96,61.18 ; 10.97,56.49 10.97,57.12 v2(10.98,57.13) ; R109#5.1 R110#6.1 12.72,50.32 13.05,50.65 v2(13.1,50.65) ; v1(25,62.25) 25,61.63 C14#4.1 ; U1#3.3 30.9,61.95 v3(31.2,61.65) ; Y1#2.4 13.8,65.8 v2(13.82,65.82) ; Y1#2.4 13.8,65.43 ; Y1#2.4 13.8,65.45 12.4,66.85 12.4,67.67 12.1,67.97 J1#3.2 ; 21,56.47 C33#3.1 C12#6.1 ; C2#6.1 29.77,64.21 29.77,66.27 30.06,66.56 30.06,69.43 J1#3.74
  Bottom w0.508: v1(21.8,56.65) 21.18,56.65 C33#3.1 ; v1(27.4,59.05) 27.22,59.05 C16#4.1 26.7,58.95 v1(26.6,59.05) ; v1(28.2,55.85) 28.2,55.67 C80#3.1 28.3,55.15 v1(28.2,55.05) ; C18#2.1 21.92,61.46 22.6,60.78 v1(22.6,60.65) ; v1(25.8,61.45) 25.82,61.43 C79#3.1 ; v1(25.8,61.45) v1(26.6,61.45) ; v1(25.8,61.45) 25.7,61.55 C14#4.1 ; C8#6.1 v1(25.8,56.65) ; 31.2,62.55 v3(31.2,61.65)
